# Altium PCB motordriver-v5.1.PcbDoc (part 7 of 8) (continued)
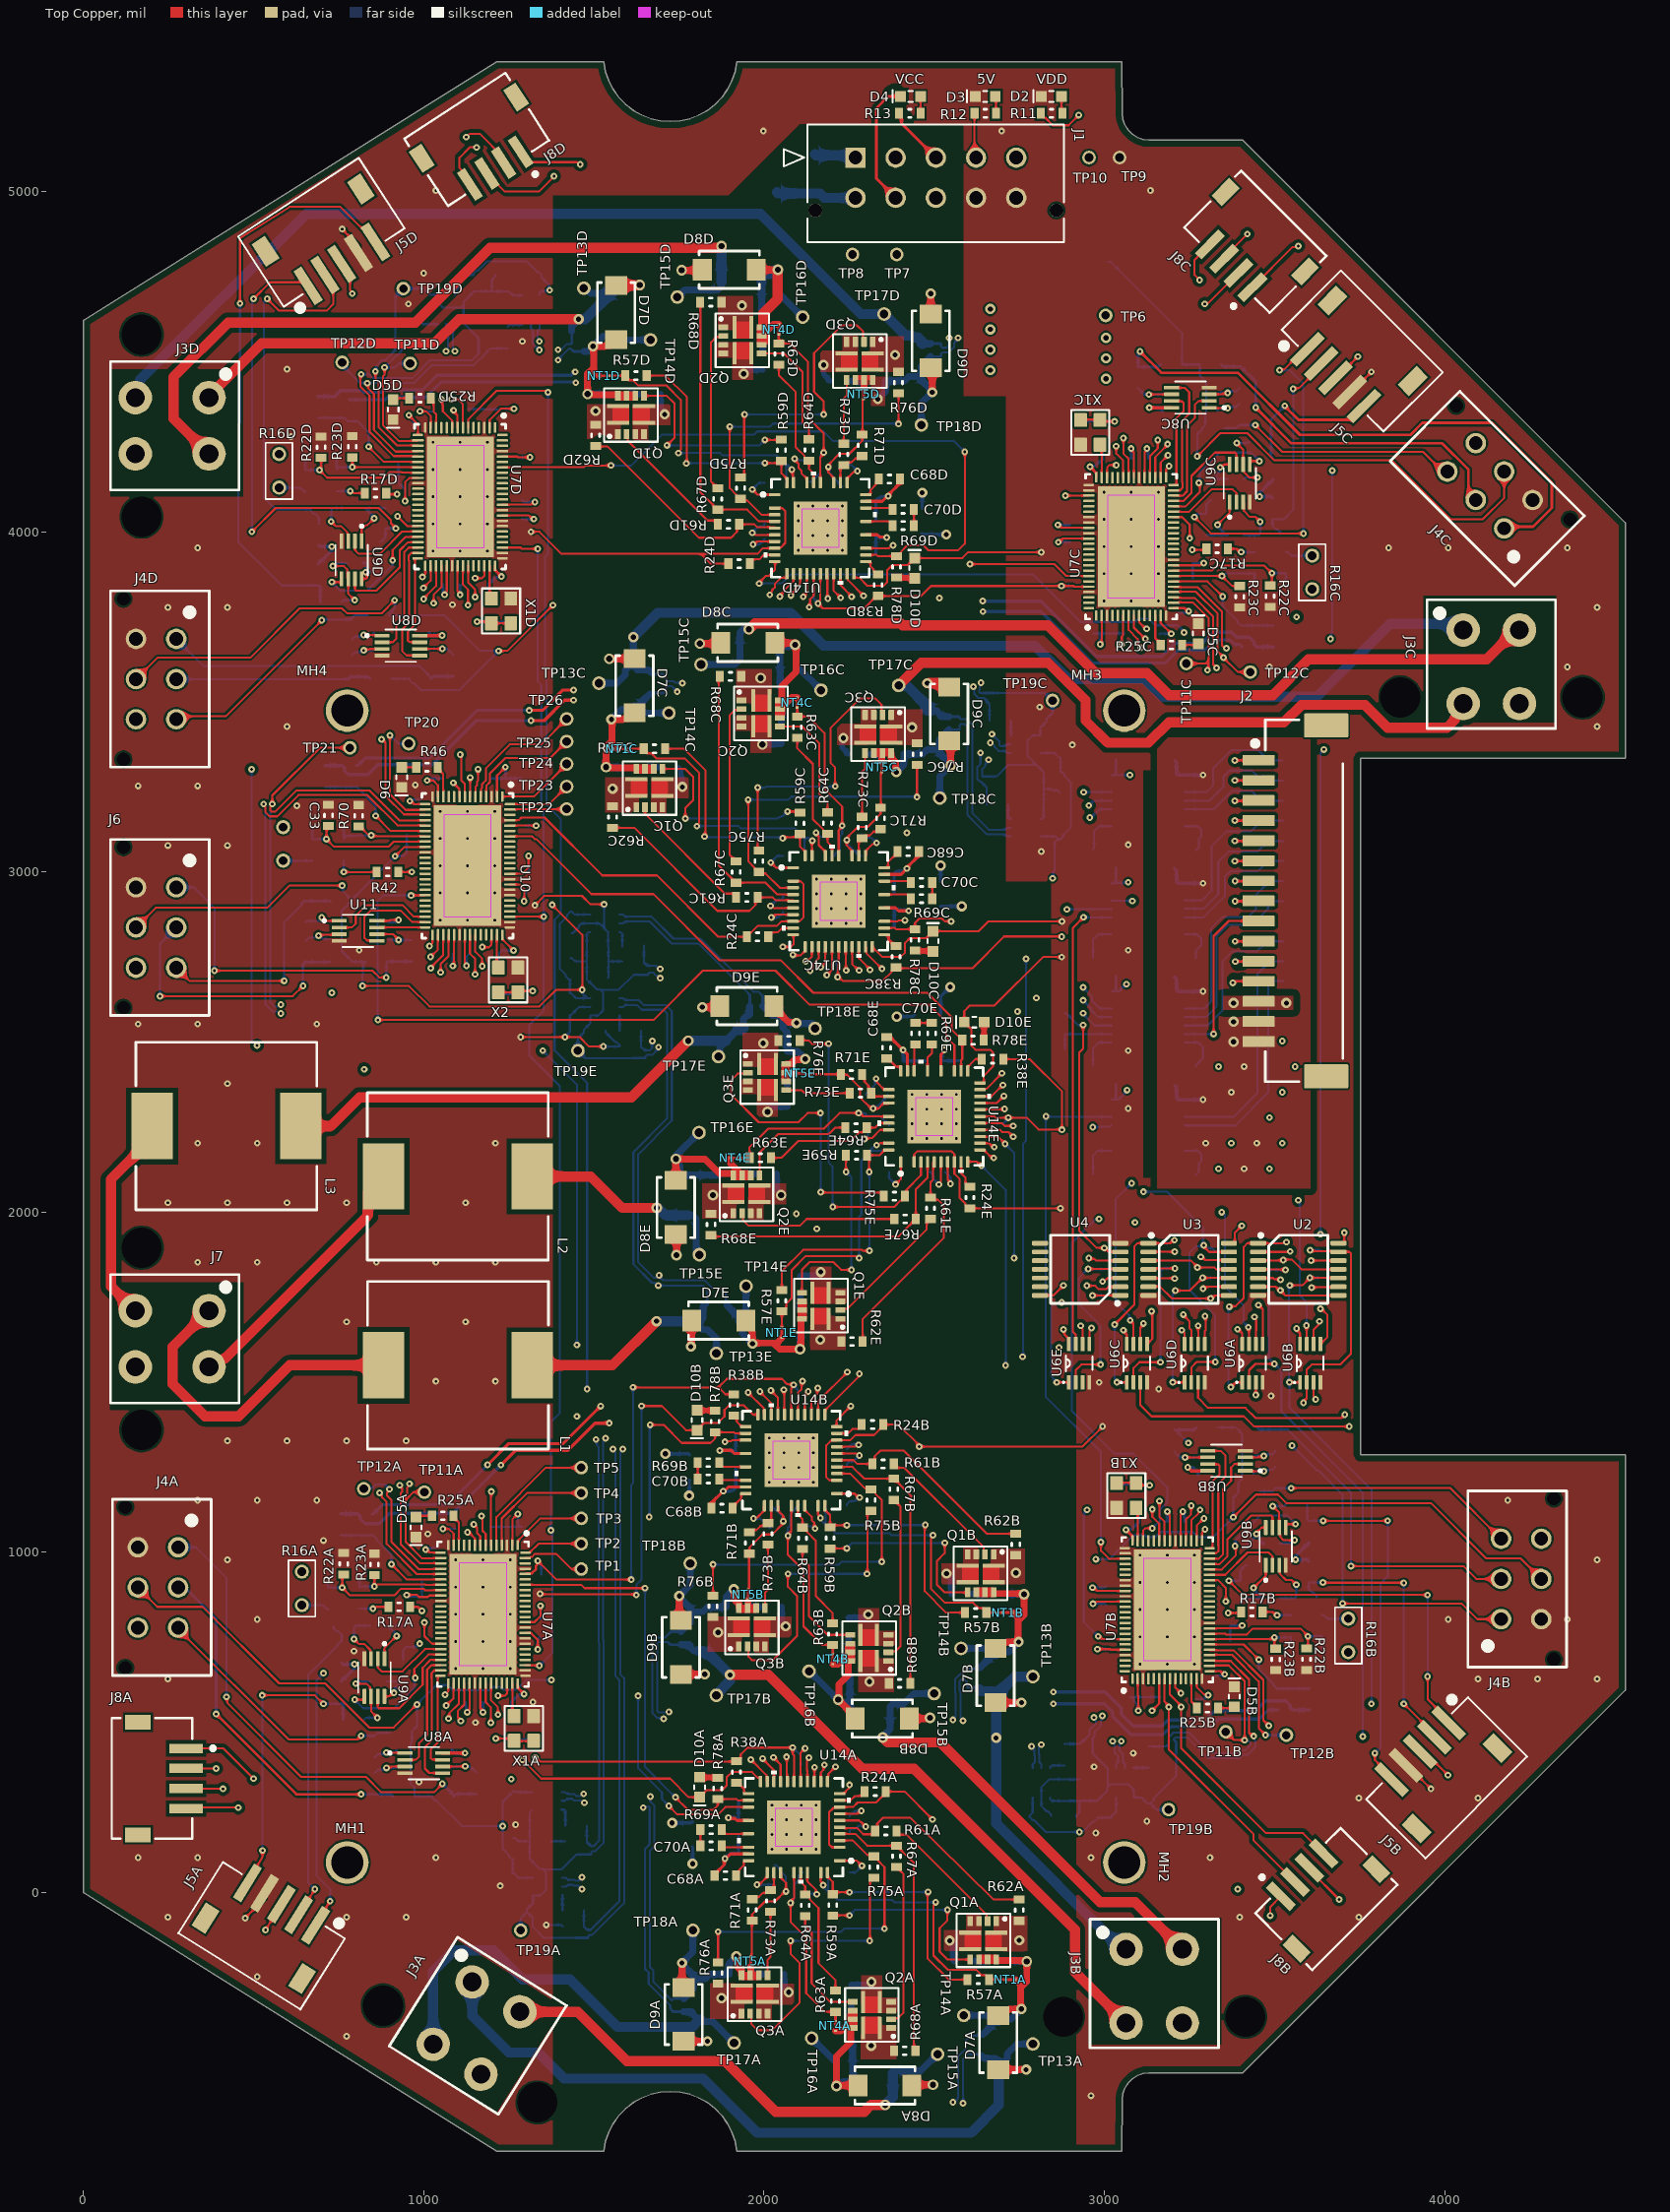
[diagram p0: Top Copper view]
## Nets (pads, with @x,y where several pads share a name; then routed paths per layer and width w, separated by ;. In a path a pad name is that pad's centre, name@x,y a point inside that pad or via, vN(x,y) a via of type N, cw(c..) or ccw(c..) an arc to the next point about the centre after c; other vN are vias at no path point) (continued)
W_SENSEB_N: NT6B.1 U13B.5 | length 1521
  Signal Layer 2 w6: v1(1720.6,531.25) 1723.21,528.63 1723.21,520.53 1736.37,507.37 1736.37,502.86 1743.81,495.43 2222.96,495.43 2299.38,419 2709.04,419 2732.2,442.16 2771.41,442.16 2778.25,449 2801,449 v1(2815,435)
  Bottom Copper w6: v1(1720.6,531.25) 1719.03,529.68 1689.51,529.68 1686,533.2 1686,732.49 1689.51,736 1717.92,736 NT6B.1@1725.12,728.81 ; v1(2815,435) 2815,432.64 2807.08,424.73 2807.08,408.18 2808.83,406.43 2808.83,383.53 2815.13,377.23 U13B.5@2815.13,366.61
W_SENSEB_P: NT7B.1 U13B.4 | length 1526.4
  Signal Layer 2 w6: v1(1705,510.84) 1707.62,508.22 1715.72,508.22 1722.37,501.57 1722.37,497.07 1738.01,481.43 2217.16,481.43 2293.59,405 2714.84,405 2737.99,428.16 2784.17,428.16 v1(2786.17,430.16)
  Bottom Copper w6: v1(1705,510.84) 1702.6,513.24 1686.16,513.24 1672,527.4 1672,738.28 1683.72,750 1709.31,750 NT7B.1@1726.12,766.81 ; v1(2786.17,430.16) 2788.66,430.16 2794.08,424.73 2794.08,402.8 2795.83,401.05 2795.83,383.53 2789.54,377.23 U13B.4@2789.54,366.61
W_SENSEC_N: NT6C.1 U13C.5 | length 444.9
  Bottom Copper w6: NT6C.1@2574.51,3456.39 2574.51,3452.7 2578.02,3449.19 2595.2,3449.19 2611.8,3432.59 2611.8,3173.2 2660.61,3124.39 2709.25,3124.39 2715.04,3130.19 U13C.5@2725.39,3130.19
W_SENSEC_P: NT7C.1 U13C.4 | length 454.9
  Bottom Copper w6: NT7C.1@2573.51,3418.39 2574.51,3419.39 2574.51,3431.67 2578.02,3435.19 2589.4,3435.19 2590.1,3434.49 2597.8,3426.79 2597.8,3167.4 2610.1,3155.1 2654.81,3110.39 2709.25,3110.39 2715.04,3104.6 U13C.4@2725.39,3104.6
W_SENSED_N: NT6D.1 U13D.5 | length 1491.8
  Signal Layer 2 w6: v1(1340,4534.32) 1340.96,4534.32 1358.84,4552.2 1358.84,4560.49 1364.36,4566 1471,4566 1525,4620 1780,4620 1875,4715 2120,4715 2250,4585 2537.64,4585 2541.7,4580.94 2541.7,4572.62 v1(2544.31,4570)
  Bottom Copper w6: U13D.5@1315.06,4608.3 1315.06,4597.95 1320.86,4592.16 1320.86,4552.5 1339.04,4534.32 v1(1340,4534.32) ; NT6D.1@2520.4,4553.07 2520.4,4544.58 2523.92,4541.07 2536.07,4541.07 2543.16,4548.16 2543.16,4568.84 v1(2544.31,4570)
W_SENSED_P: NT7D.1 U13D.4 | length 1507.4
  Signal Layer 2 w6: v1(1340,4560) 1340,4561.44 1358.56,4580 1465.2,4580 1519.2,4634 1774.2,4634 1869.2,4729 2125.8,4729 2255.8,4599 2543.44,4599 2570,4572.44 v1(2570,4570)
  Bottom Copper w6: v1(1340,4560) 1340,4563.7 1334.86,4568.85 1334.86,4592.16 1340.65,4597.95 U13D.4@1340.65,4608.3 ; NT7D.1@2519.4,4515.07 2520.4,4516.07 2520.4,4523.55 2523.92,4527.07 2541.87,4527.07 2558.9,4544.1 2558.9,4555.19 2570,4566.3 v1(2570,4570)
W_SENSEE_N: NT6E.1 U13E.5 | length 478
  Bottom Copper w6: U13E.5@1575.61,2848.87 1585.96,2848.87 1591.76,2854.67 1663.47,2854.67 1728.14,2790 1807.36,2790 1959.43,2637.92 NT6E.1@1957.99,2636.48
W_SENSEE_P: NT7E.1 U13E.4 | length 519.4
  Bottom Copper w6: U13E.4@1575.61,2874.46 1585.96,2874.46 1591.76,2868.67 1669.27,2868.67 1733.94,2804 1813.16,2804 1969.1,2648.06 1983.41,2648.06 NT7E.1@1995.99,2635.48
W_SWA: C69A.2 D9A.2 NT5A.1 NT7A.2 Q3A.8 R74A.2 TP18A.1 | length 599.5
  Top Copper w20: v3(1758.99,-206.93) 1758.99,-274.22 D9A.2@1763.47,-278.7 ; v3(1918.99,-186.93) 1920.9,-188.85 1920.9,-216.2 1933.75,-229.05 Q3A.8@1933.75,-242.68 ; 1946.63,-242.68 Q3A.8@1959.34,-242.68 ; NT5A.1@1960.99,-216.93 1960.99,-241.03 Q3A.8@1959.34,-242.68 ; 1972.99,-240.93 1971.24,-242.68 Q3A.8@1959.34,-242.68
  Bottom Copper w20: NT7A.2@1763.99,-311.93 1790.8,-285.13 1790.8,-263.98 R74A.2@1801.46,-253.31 ; TP18A.1@1790.99,-110.93 1790.99,-174.93 v3(1758.99,-206.93) 1760.9,-208.85 1760.9,-212.75 R74A.2@1801.46,-253.31 ; v3(1918.99,-186.93) 1897.15,-208.77 1897.15,-234.18 1896.99,-234.34 C69A.2@1896.99,-239.93 1841.22,-239.93 1827.84,-253.31 R74A.2@1814.65,-253.31 R74A.2@1801.46,-253.31
W_SWB: C69B.2 D9B.2 NT5B.1 NT7B.2 Q3B.8 R74B.2 TP18B.1 | length 599.5
  Top Copper w20: v3(1751.12,871.81) 1751.12,804.52 D9B.2@1755.6,800.04 ; v3(1911.12,891.81) 1913.03,889.89 1913.03,862.54 1925.87,849.69 Q3B.8@1925.87,836.06 ; 1938.76,836.06 Q3B.8@1951.46,836.06 ; NT5B.1@1953.12,861.81 1953.12,837.71 Q3B.8@1951.46,836.06 ; 1965.12,837.81 1963.37,836.06 Q3B.8@1951.46,836.06
  Bottom Copper w20: NT7B.2@1756.12,766.81 1782.92,793.61 1782.92,814.76 R74B.2@1793.59,825.43 ; TP18B.1@1783.12,967.81 1783.12,903.81 v3(1751.12,871.81) 1753.03,869.89 1753.03,865.99 R74B.2@1793.59,825.43 ; v3(1911.12,891.81) 1889.28,869.97 1889.28,844.56 1889.12,844.4 C69B.2@1889.12,838.81 1833.34,838.81 1819.97,825.43 R74B.2@1806.78,825.43 R74B.2@1793.59,825.43
W_SWC: C69C.2 D9C.2 NT5C.1 NT7C.2 Q3C.8 R74C.2 TP18C.1 | length 599.5
  Top Copper w20: 2334.51,3347.39 2336.25,3349.13 Q3C.8@2348.16,3349.13 ; NT5C.1@2346.5,3323.39 2346.51,3347.48 Q3C.8@2348.16,3349.13 ; 2360.86,3349.13 Q3C.8@2348.16,3349.13 ; Q3C.8@2373.75,3349.13 2373.75,3335.5 2386.6,3322.65 2386.6,3295.3 v3(2388.51,3293.39) ; D9C.2@2544.03,3385.15 2548.51,3380.67 v4(2548.51,3313.39)
  Bottom Copper w20: v3(2388.51,3293.39) 2410.35,3315.23 2410.35,3340.64 2410.51,3340.8 C69C.2@2410.51,3346.39 2466.28,3346.39 2479.66,3359.76 R74C.2@2492.85,3359.76 R74C.2@2506.03,3359.76 ; TP18C.1@2516.51,3217.39 2516.51,3281.39 v4(2548.51,3313.39) 2546.6,3315.3 2546.6,3319.2 R74C.2@2506.03,3359.76 ; NT7C.2@2543.51,3418.39 2516.7,3391.58 2516.7,3370.43 R74C.2@2506.03,3359.76
W_SWD: C69D.2 D9D.2 NT5D.1 NT7D.2 Q3D.8 R74D.2 TP18D.1 | length 511.6
  Top Copper w20: NT5D.1@2292.4,4420.07 2294.05,4420.07 Q3D.8@2294.05,4445.81 ; D9D.2@2489.92,4481.84 2494.4,4477.35 v3(2494.4,4410.07)
  Bottom Copper w20: v3(2334.4,4390.07) 2356.24,4411.91 2356.24,4437.32 2356.4,4437.48 C69D.2@2356.4,4443.07 2412.17,4443.07 2425.55,4456.44 R74D.2@2438.74,4456.44 R74D.2@2451.93,4456.44 ; TP18D.1@2462.4,4314.07 2462.4,4378.07 v3(2494.4,4410.07) 2492.49,4411.98 2492.49,4415.88 R74D.2@2451.93,4456.44 ; NT7D.2@2489.4,4515.07 2462.6,4488.26 2462.6,4467.11 R74D.2@2451.93,4456.44
W_SWE: C69E.2 D9E.2 NT5E.1 NT7E.2 Q3E.8 R74E.2 TP18E.1 | length 535.6
  Top Copper w20: D9E.2@2029.22,2606 2029.22,2601.27 2072.31,2558.18 2093.42,2558.18 v3(2095.33,2556.27) ; 2065.24,2422.83 Q3E.8@2065.24,2410.13 ; Q3E.8@2065.24,2435.72 2078.88,2435.72 2091.72,2448.57 2119.08,2448.57 v3(2120.99,2450.48) ; 2066.99,2396.48 2065.24,2398.22 Q3E.8@2065.24,2410.13 ; NT5E.1@2090.99,2408.48 2066.9,2408.48 Q3E.8@2065.24,2410.13
  Bottom Copper w20: NT7E.2@1995.99,2605.48 2022.8,2578.67 2043.95,2578.67 2054.61,2568.01 R74E.2@2054.61,2566.93 ; v3@2095,2555 2095.05,2555.05 2141.56,2555.05 TP18E.1@2142.78,2553.83 ; v3(2095.33,2556.27) 2065.28,2556.27 R74E.2@2054.61,2566.93 ; v3(2120.99,2450.48) 2099.15,2472.32 2073.74,2472.32 2073.58,2472.48 C69E.2@2067.99,2472.48 2067.99,2528.25 2054.61,2541.63 R74E.2@2054.61,2554.82 R74E.2@2054.61,2566.93
WA: J3A.3 NT6A.2 R74A.1 TP17A.1 | length 1320.9
  Bottom Copper w20: NT6A.2@1762.99,-349.93 1787.99,-349.93 1790.8,-352.74 1790.8,-357.6 1801.46,-368.27 R74A.1@1814.65,-368.27 ; R74A.1@1803.99,-378.93 R74A.1@1814.65,-368.27 ; TP17A.1@1911.99,-441.93 1849,-378.94 1825.32,-378.94 R74A.1@1814.65,-368.27
  Bottom Copper w30: J3A.3@1027.59,-446.01 1027.59,-323.57 1027.43,-323.41 1027.43,-232.57 1090,-170 1205,-170 1290,-255 1430,-255 1570,-395 1787.92,-395 R74A.1@1803.99,-378.93
WB: J3B.3 NT6B.2 R74B.1 TP17B.1 | length 1926.8
  Top Copper w20: TP17B.1@1860,580 TP17B.1@1863.83,583.83
  Top Copper w30: v3(1900,640) 2013,640 2289,364 2440.44,364 2914,-109.56 2914,-233.31 J3B.3@3063.99,-383.3
  Bottom Copper w20: NT6B.2@1755.12,728.81 1780.12,728.81 1782.92,726 1782.92,721.14 1793.59,710.47 R74B.1@1806.78,710.47
  Bottom Copper w30: R74B.1@1806.78,710.47 1819.97,710.47 1830.64,699.8 1840.2,699.8 v3(1900,640) 1900,622.71 1860,582.71 TP17B.1@1860,580
WC: J3C.3 NT6C.2 R74C.1 TP17C.1 | length 2136.8
  Top Copper w30: TP17C.1@2395.51,3548.39 2462.12,3615 2835,3615 2945,3505 2945,3445 3010,3380 3130,3380 3190,3440 3527.52,3440 3578.76,3491.24 3765.53,3491.24 3832.72,3424.06 4007.13,3424.06 4029.74,3446.67 4029.74,3451.58 4049.54,3471.38 J3C.3@4049.54,3499.98
  Bottom Copper w20: R74C.1@2492.85,3474.72 2506.03,3474.72 2516.7,3464.05 2516.7,3459.19 2519.51,3456.39 NT6C.2@2544.51,3456.39
  Bottom Copper w30: TP17C.1@2395.51,3548.39 2397.42,3546.47 2421.09,3546.47 2473.99,3493.58 2473.99,3480.39 2479.66,3474.72 R74C.1@2492.85,3474.72
WD: J3D.3 NT6D.2 R74D.1 TP17D.1 | length 2742.5
  Bottom Copper w20: R74D.1@2451.93,4571.4 R74D.1@2462.6,4560.73 ; R74D.1@2465.4,4553.07 NT6D.2@2490.4,4553.07
  Bottom Copper w30: J3D.3@152.45,4394.42 165.55,4407.51 165.55,4445.55 655,4935 1990,4935 2284.93,4640.07 TP17D.1@2352.99,4640.07 ; TP17D.1@2354.9,4638.15 2415.98,4577.07 2433.07,4577.07 R74D.1@2438.74,4571.4 R74D.1@2451.93,4571.4 ; R74D.1@2462.6,4560.73 2462.6,4555.87 R74D.1@2465.4,4553.07
WE: L3.2 NT6E.2 R74E.1 TP17E.1 | length 1578.6
  Top Copper w30: L3.2@638.49,2253.07 727.07,2253.07 811,2337 1610,2337 v4(1777,2504)
  Bottom Copper w20: TP17E.1@1865.99,2457.48 1869.51,2461 1869.51,2484.67 1888.84,2504 1920.8,2535.96 R74E.1@1939.65,2554.82 ; R74E.1@1939.65,2541.63 R74E.1@1939.65,2554.82 ; NT6E.2@1957.99,2606.48 1957.99,2581.48 1955.18,2578.67 1950.32,2578.67 1939.65,2568.01 R74E.1@1939.65,2554.82
  Bottom Copper w30: v4(1777,2504) 1888.84,2504 ; R74E.1@1920.8,2535.96 1933.98,2535.96 R74E.1@1939.65,2541.63
WHA: U7A.46 U14A.19 | length 1102
  Top Copper w6: U7A.46@1181.94,615.44 1181.94,560.12 1196.99,545.07 v1(1196.99,499.07) ; v1(1995.99,394.07) 1995.99,393.07 2029,360.06 U14A.19@2029,326.26
  Signal Layer 1 w6: v1(1196.99,499.07) 1223.15,472.91 1406.03,472.91 1445.94,433 1785.03,433 1871.03,347 1977,347 1995.99,365.99 v1(1995.99,394.07)
WHB: U7B.46 U14B.19 | length 1561.4
  Top Copper w6: v1(1988.12,1472.81) 1988.12,1471.81 2021.13,1438.8 U14B.19@2021.13,1405 ; v1(3161.99,1150.88) 3161.99,1104.88 3177.04,1089.84 U7B.46@3177.04,1034.51
  Signal Layer 1 w6: v1(1988.12,1472.81) 2070.92,1390 2165.2,1390 2206.06,1349.13 2645.87,1349.13 2715.03,1279.97 3100.03,1279.97 3175,1205 3175,1163.89 v1(3161.99,1150.88)
WHC: U7C.46 U14C.19 | length 2388.7
  Top Copper w6: U14C.19@2278.5,2780.19 2278.5,2746.4 2311.51,2713.39 v1(2311.51,2712.39) ; v1(3055.99,4275.78) 3055.99,4229.78 3071.04,4214.73 U7C.46@3071.04,4159.41
  Signal Layer 1 w6: v1(2311.51,2712.39) 2311.51,2731.51 2332.96,2752.96 2587.7,2752.96 2774.31,2939.57 2774.31,4236.33 2840.01,4302.04 3019.08,4302.04 3019.19,4301.93 3029.83,4301.93 v1(3055.99,4275.78)
WHD: U7D.46 U14D.19 | length 1433.9
  Top Copper w6: U7D.46@1114.94,3900.44 1114.94,3845.12 1129.99,3830.07 v1(1129.99,3784.07) ; U14D.19@2224.39,3876.88 2224.39,3843.08 2257.4,3810.07 v1(2257.4,3809.07)
  Signal Layer 1 w6: v1(1129.99,3784.07) 1235.62,3784.07 1334.51,3882.96 1824.51,3882.96 1861.78,3920.23 2050.66,3920.23 2082.89,3888 2178.47,3888 v1(2257.4,3809.07)
WHE: U10.46 U14E.19 | length 2093.8
  Top Copper w6: U10.46@1135.75,2815.6 1135.75,2760.27 1150.8,2745.23 v1(1150.8,2699.23) ; U14E.19@2634.18,2340.47 2667.98,2340.47 2700.99,2373.48 v1(2701.99,2373.48)
  Signal Layer 1 w6: v1(1150.8,2699.23) 1150.8,2622.23 1185.03,2588 1457.29,2588 1507.29,2638 1729.06,2638 1790.06,2699 1949.03,2699 1995.03,2653 2432,2653 2486,2599 2569.03,2599 2663.19,2504.84 2663.19,2391.22 2680.93,2373.48 v1(2701.99,2373.48)
WLA: U7A.47 U14A.20 | length 1023.4
  Top Copper w6: U7A.47@1197.69,615.44 1197.69,587.56 1197.63,587.49 1197.63,565.43 1217.99,545.07 v1(1217.99,523.07) ; v1(1960.99,391.07) 2006.89,345.16 2006.89,328.68 U14A.20@2009.31,326.26
  Signal Layer 1 w6: v1(1217.99,523.07) 1376.93,523.07 1455,445 1790,445 1876,359 1952,359 1960.99,367.99 v1(1960.99,391.07)
WLB: U7B.47 U14B.20 | length 1587.1
  Top Copper w6: v1(1953.12,1469.81) 1999.02,1423.9 1999.02,1407.42 U14B.20@2001.44,1405 ; v1(3140.99,1126.88) 3140.99,1104.88 3161.35,1084.52 3161.35,1062.46 3161.29,1062.39 U7B.47@3161.29,1034.51
  Signal Layer 1 w6: v1(1953.12,1469.81) 2047.92,1375 2163.23,1375 2201.09,1337.13 2640.89,1337.13 2710.06,1267.97 3095.06,1267.97 3160,1203.03 3160,1184.82 3140.99,1165.81 v1(3140.99,1126.88)
WLC: U7C.47 U14C.20 | length 2311.3
  Top Copper w6: U14C.20@2298.18,2780.19 2300.61,2777.77 2300.61,2761.29 v1(2346.51,2715.39) ; v1(3034.99,4251.78) 3034.99,4229.78 3055.35,4209.41 3055.35,4187.35 3055.29,4187.29 U7C.47@3055.29,4159.41
  Signal Layer 1 w6: v1(2346.51,2715.39) 2346.51,2731.51 2355.92,2740.92 2592.68,2740.92 2786.35,2934.59 2786.35,4231.35 2845,4290 2996.77,4290 v1(3034.99,4251.78)
WLD: U7D.47 U14D.20 | length 1428.3
  Top Copper w6: U7D.47@1130.69,3900.44 1130.69,3872.56 1130.63,3872.49 1130.63,3850.43 1150.99,3830.07 v1(1150.99,3808.07) ; U14D.20@2244.08,3876.88 2246.5,3874.46 2246.5,3857.97 v1(2292.4,3812.07)
  Signal Layer 1 w6: v1(1150.99,3808.07) 1242.59,3808.07 1329.52,3895 1819.52,3895 1856.75,3932.23 2055.63,3932.23 2087.86,3900 2204.47,3900 v1(2292.4,3812.07)
WLE: U10.47 U14E.20 | length 2042.1
  Top Copper w6: U10.47@1151.5,2815.6 1151.5,2787.72 1151.44,2787.65 1151.44,2765.59 1171.8,2745.23 v1(1171.8,2723.23) ; U14E.20@2634.18,2360.15 2636.6,2362.58 2653.09,2362.58 v1(2698.99,2408.48)
  Signal Layer 1 w6: v1(1171.8,2723.23) 1171.8,2618.2 1190,2600 1452.32,2600 1502.32,2650 1724.09,2650 1785.09,2711 1954,2711 2000,2665 2440,2665 2494,2611 2574,2611 2675.19,2509.81 2675.19,2432.28 v1(2698.99,2408.48)
~DBGSPI_CSB: U7B.75
~DBGSPI_CSC: U7C.75
~DBGSPI_CSD: U7D.75
~ENC_CS0: J8A.1 U6A.3 | length 4965.8
  Top Copper w6: J8A.1@301.73,423.94 411.06,423.94 v1(500,335) ; v1(3445.24,1462.84) U6A.3@3445.24,1500.07
  Signal Layer 1 w6: v1(3392.3,10) 3575,192.7 3575,495 3550,520 3550,835 3525,860 3525,1379.48 3445.24,1459.24 v1(3445.24,1462.84)
  Signal Layer 2 w6: v1@498.54,335 v1(500,335) 655,335 850,140 1535,140 1735,-60 2165,-60 2195,-30 2275,-30 2345,40 2510,40 2540,10 v1(3392.3,10)
~ENC_CS1: J8B.1 U6B.3 | length 1744.3
  Top Copper w6: v1(3487.51,-67.49) 3487.51,-42.05 J8B.1@3519.07,-10.49 ; U6B.3@3614.99,1500.07 3614.99,1459.61 3621.05,1453.55 v1(3621.05,1449.84)
  Signal Layer 1 w6: v1(3487.51,-67.49) 3605,50 3605,570 3660,625 3660,872.5 3680,892.5 3680,1140 3621.05,1198.95 v1(3621.05,1449.84)
~ENC_CS2: J8C.1 U6C.3 | length 4515.3
  Top Copper w6: U6C.3@3105.74,1500.07 3105.74,1432.96 3138.7,1400 3410,1400 3440,1370 v1(3720,1370) ; J8C.1@3435.49,4719.07 3553.81,4837.38 3567.38,4837.38 v1(3570,4840)
  Signal Layer 1 w6: v1(3570,4840) 3544.34,4814.34 3544.34,4632.58 3804.34,4372.58 3804.34,3664.34 3729.34,3589.34 3729.34,1395.54 3722.62,1388.82 3722.62,1372.62 v1(3720,1370)
~ENC_CS3: J8D.1 U6D.3 | length 6606.8
  Top Copper w6: J8D.1@1284.53,5117.16 1315.3,5086.4 1449.9,5086.4 1456.3,5080 v1(1460,5080) ; U6D.3@3275.49,1500.07 3275.49,1454.51 3305,1425 3415,1425 3445,1395 3696.14,1395 3706.14,1405 v1(3706.49,1405)
  Signal Layer 1 w6: v1(1460,5080) 1795,5080 1970,5255 2855,5255 2856.76,5253.24 3000,5110 3000,5085 3020,5065 3285,5065 3525,4825 3525,4630 3785,4370 3785,3672.35 3710,3597.35 3710,2075 3705,2070 3705,1975 3682.16,1952.16 3682.16,1909.34 3706.49,1885 v1(3706.49,1405)
~RST: J2.12 R77L.2 | length 121.2
  Top Copper w6: v1(3377.39,2674.28) 3381.09,2674.28 3385.64,2678.84 J2.12@3453.18,2678.84
  Bottom Copper w6: v1(3377.39,2674.28) 3381.09,2674.28 3386.8,2680 R77L.2@3418.5,2680
~RST_FILTER: C52L.2 R77L.1 U5D.4 | length 659.2
  Bottom Copper w6: U5D.4@3236.06,2255.74 3236.8,2255 3385,2255 3481.5,2351.5 R77L.1@3481.5,2680 C52L.2@3526.5,2680
~RST_ISO: U5D.13 U7A.50 U7B.50 U7C.50 U7D.50 U10.50 | length 11834.8
  Top Copper w6: v1(1150.97,3864.07) 1151.4,3863.63 1171.06,3863.63 1177.93,3870.51 U7D.50@1177.93,3900.44 ; v1(1171.78,2779.23) 1172.21,2778.79 1191.87,2778.79 1198.75,2785.66 U10.50@1198.75,2815.6 ; v1(1217.97,579.07) 1218.4,578.63 1238.06,578.63 1244.93,585.51 U7A.50@1244.93,615.44 ; U7C.50@3008.05,4159.41 3008.05,4189.34 3014.92,4196.21 3034.58,4196.21 v1(3035.01,4195.78) ; U7B.50@3114.05,1034.51 3114.05,1064.45 3120.92,1071.32 3140.58,1071.32 v1(3141.01,1070.88)
  Signal Layer 1 w6: v1@1261.05,333.48 1726.52,333.48 1990,70 2220,70 2425,275 3080.91,275 3330,524.09 3330,960 3219.12,1070.88 v1(3141.01,1070.88) ; v1(2984.48,1980.17) 2966.11,1998.54 v1(2966.11,2250.16) 2966.11,2330.72 2715,2581.83 2715,2620 2800,2705 2931.14,2705 2961.68,2735.54 2961.68,2936.11 2934.66,2963.13 2934.66,3163.7 2910,3188.35 2910,3335 2930,3355 2930,3670 2900,3700 2900,4060.77 v1(3035.01,4195.78)
  Signal Layer 2 w6: v1(1150.97,3864.07) 1165.29,3849.74 ; v1(1171.78,2779.23) 1190.64,2760.36 1190.64,2712.42 1123.22,2645 v1(730,2645) 730,2810 460,3080 460,3345 675,3560 1055,3560 1190,3695 1190,3825.04 1165.29,3849.74 ; v1(1217.97,579.07) 1257.35,539.69 v1(1257.35,333.48) ; v1(3035.01,4195.78) 3020.76,4210.03 2805.03,4210.03 2469.93,3874.93 1978.43,3874.93 1953.24,3849.74 1165.29,3849.74
  Bottom Copper w6: v1(2966.11,2250.16) 2966.27,2250 2983.84,2250 2984.81,2250.96 3016.72,2250.96 U5D.13@3021.5,2255.74 ; v1(2984.48,1980.17) 2981.86,1977.56 2972.56,1977.56 2938.78,1943.78 2905,1910 2905,1415 3030,1290 3085,1290 3185,1190 3185,1147.25 3163.7,1125.95 3163.7,1093.57 v1(3141.01,1070.88)
pads on no net: J1.M1 J1.M2 J2.0 J3A.4 J3A.MH1 J3B.4 J3B.MH1 J3C.4 J3C.MH1 J3D.4 J3D.MH1 J4A.6 J4A.MH1 J4A.MH2 J4B.6 J4B.MH1 J4B.MH2 J4C.6 J4C.MH1 J4C.MH2 J4D.6 J4D.MH1 J4D.MH2 J5A.6 J5A.7 J5B.6 J5B.7 J5C.6 J5C.7 J5D.6 J5D.7 J6.6 J6.MH1 J6.MH2 J7.4 J7.MH1 J8A.S1 J8A.S2 J8B.S1 J8B.S2 J8C.S1 J8C.S2 J8D.S1 J8D.S2 MH1.1 MH2.1 MH3.1 MH4.1 U4.8 U4.9 U4.10 U4.11 U4.12 U4.13 U7A.10 U7A.11 U7A.25 U7A.26 U7A.27 U7A.28 U7A.29 U7A.30 U7A.31 U7A.48 U7A.49 U7A.56 U7A.57 U7A.58 U7A.64 U7A.65 U7A.66 U7A.67 U7A.68 U7A.69 U7A.71 U7A.74 U7B.10 U7B.11 U7B.25 U7B.26 U7B.27 U7B.28 U7B.29 U7B.30 U7B.31 U7B.48 U7B.49 U7B.56 U7B.57 U7B.58 U7B.64 U7B.65 U7B.66 U7B.67 U7B.68 U7B.69 U7B.71 U7B.74 U7C.10 U7C.11 U7C.25 U7C.26 U7C.27 U7C.28 U7C.29 U7C.30 U7C.31 U7C.48 U7C.49 U7C.56 U7C.57 U7C.58 U7C.64 U7C.65 U7C.66 U7C.67 U7C.68 U7C.69 U7C.71 U7C.74 U7D.10 U7D.11 U7D.25 U7D.26 U7D.27 U7D.28 U7D.29 U7D.30 U7D.31 U7D.48 U7D.49 U7D.56 U7D.57 U7D.58 U7D.64 U7D.65 U7D.66 U7D.67 U7D.68 U7D.69 U7D.71 U7D.74 U10.10 U10.11 U10.25 U10.26 U10.27 U10.28 U10.29 U10.30 U10.31 U10.33 U10.34 U10.35 U10.48 U10.49 U10.56 U10.57 U10.58 U10.64 U10.65 U10.66 U10.67 U10.68 U10.69 U10.71 U10.74

## Polygon pours and split planes (outlines as drawn)
GND on Bottom Copper "GND_L06_P343" (solid, pour order 343): -104.01,-939.64 1378.71,-939.64 1378.71,4990 1895,4990 2105,5200 2586.99,5200 2586.99,4398.63 2711.99,4398.63 2711.99,2973.07 2843.99,2973.07 2843.99,1495 2918.75,1495 2918.75,-760.15 4537.99,-762.48 4537.99,5737.52 -93.73,5737.52
JETSON_GND on Bottom Copper "JETSON_GND_L06_P329" (solid, pour order 329): 3605,3395 3155,3395 3155,2070 3605,2070
VDD on Bottom Copper "VDD_L06_P300" (solid, pour order 300): 2629.99,4718.08 2629.99,4400.07 3038.99,4400.07 3038.99,4670.07 2695.99,4670.07 2695.99,4718.08
VDD on Bottom Copper "VDD_L06_P302" (solid, pour order 302): 3055.03,1985 3124.98,1985 3124.98,1739.28 3055.03,1739.28
5V on Bottom Copper "5V_L06_P335" (solid, pour order 335): 2582.99,5139.07 2582.99,5049.07 2885.99,5049.07 2885.99,4745.07 2948.99,4745.07 2948.99,4771.07 3048.99,4771.07 3048.99,4916.07 2936.99,4916.07 2936.99,5065.07 2979.99,5065.07 2979.99,5139.07
PGND on Bottom Copper "PGND_L06_P347" (solid, pour order 347): 2280.52,3891.88 2280.52,4091.88 2255.52,4091.88 2050.52,4091.88 2050.52,3891.88
PGND on Bottom Copper "PGND_L06_P346" (solid, pour order 346): 2334.62,2795.19 2334.62,3010 2104.62,3010 2104.62,2795.19
PGND on Bottom Copper "PGND_L06_P345" (solid, pour order 345): 2619.18,2396.6 2419.18,2396.6 2419.18,2371.6 2419.18,2166.6 2619.18,2166.6
PGND on Bottom Copper "PGND_L06_P344" (solid, pour order 344): 1972.87,311.26 1972.87,111.26 1997.87,111.26 2205,111.26 2205,311.26
PGND on Bottom Copper "PGND_L06_P337" (solid, pour order 337): 1965,1390 1965,1190 1990,1190 2195,1190 2195,1390
VDD on Bottom Copper "VDD_L06_P328" (solid, pour order 328): 3685.84,1955 3720,1955 3720,1781 3685.84,1781
VDD on Bottom Copper "VDD_L06_P303" (solid, pour order 303): 3374.06,1974.04 3443.56,1974.04 3443.56,1787.04 3374.06,1787.04
GND on Top Copper "GND_L01_P342" (solid, pour order 342): -104.01,-939.64 1378.71,-939.64 1378.71,4990 1895,4990 2105,5200 2586.99,5200 2586.99,4398.63 2711.99,4398.63 2711.99,2973.07 2843.99,2973.07 2843.99,1495 2918.75,1495 2918.75,-762.48 4537.99,-762.48 4537.99,5737.52 -93.73,5737.52
JETSON_3V3 on Top Copper "JETSON_3V3_L01_P341" (solid, pour order 341): 3605,3395 3155,3395 3155,2070 3605,2070
VCC on Top Copper "VCC_L01_P356" (solid, pour order 356): 1669.24,3278.2 1778.81,3278.2 1778.81,3217.2 1753.49,3217.2 1713.49,3217.2 1713.49,3172.2 1668.49,3172.2
W_SWD on Top Copper "W_SWD_L01_P378" (solid, pour order 378): 2265,4459.31 2355,4459.31 2355,4370 2315,4370 2315,4432.94 2265,4432.94
PGND on Top Copper "PGND_L01_P377" (solid, pour order 377): 1966.45,-327.41 1941.6,-327.41 1941.6,-370.58 1842.5,-370.58 1842.5,-267.14 1966.45,-267.14
VCC on Top Copper "VCC_L01_P376" (solid, pour order 376): 1978.26,-267.55 2088.19,-267.55 2088.19,-328.55 2062.5,-328.55 2022.5,-328.55 2022.5,-373.55 1977.5,-373.55
PGND on Top Copper "PGND_L01_P375" (solid, pour order 375): 2345.45,-365.29 2345.45,-390.14 2388.62,-390.14 2388.62,-489.24 2285.18,-489.24 2285.18,-365.29
VCC on Top Copper "VCC_L01_P374" (solid, pour order 374): 2285.59,-353.48 2285.59,-243.55 2346.59,-243.55 2346.59,-269.24 2346.59,-309.24 2391.59,-309.24 2391.59,-354.24
PGND on Top Copper "PGND_L01_P373" (solid, pour order 373): 2650.06,-111.88 2674.91,-111.88 2674.91,-68.71 2774.01,-68.71 2774.01,-172.15 2650.06,-172.15
VCC on Top Copper "VCC_L01_P372" (solid, pour order 372): 2638.26,-171.74 2528.32,-171.74 2528.32,-110.75 2554.01,-110.75 2594.01,-110.75 2594.01,-65.75 2639.01,-65.75
PGND on Top Copper "PGND_L01_P371" (solid, pour order 371): 2642.19,966.86 2667.03,966.86 2667.03,1010.03 2766.14,1010.03 2766.14,906.59 2642.19,906.59
VCC on Top Copper "VCC_L01_P370" (solid, pour order 370): 2630.38,907 2520.44,907 2520.44,967.99 2546.14,967.99 2586.14,967.99 2586.14,1012.99 2631.14,1012.99
PGND on Top Copper "PGND_L01_P369" (solid, pour order 369): 2337.58,713.45 2337.58,688.6 2380.75,688.6 2380.75,589.5 2277.31,589.5 2277.31,713.45
VCC on Top Copper "VCC_L01_P368" (solid, pour order 368): 2277.71,725.26 2277.71,835.19 2338.71,835.19 2338.71,809.5 2338.71,769.5 2383.71,769.5 2383.71,724.5
PGND on Top Copper "PGND_L01_P367" (solid, pour order 367): 1958.57,751.33 1933.73,751.33 1933.73,708.16 1834.62,708.16 1834.62,811.6 1958.57,811.6
VCC on Top Copper "VCC_L01_P366" (solid, pour order 366): 1970.38,811.19 2080.32,811.19 2080.32,750.19 2054.62,750.19 2014.62,750.19 2014.62,705.19 1969.62,705.19
PGND on Top Copper "PGND_L01_P365" (solid, pour order 365): 2196.05,1719.4 2196.05,1694.56 2239.21,1694.56 2239.21,1595.46 2135.77,1595.46 2135.77,1719.4
VCC on Top Copper "VCC_L01_P364" (solid, pour order 364): 2136.18,1731.21 2136.18,1841.15 2197.18,1841.15 2197.18,1815.46 2197.18,1775.46 2242.18,1775.46 2242.18,1730.46
PGND on Top Copper "PGND_L01_P363" (solid, pour order 363): 1942.63,2024.01 1917.79,2024.01 1917.79,1980.85 1818.68,1980.85 1818.68,2084.29 1942.63,2084.29
VCC on Top Copper "VCC_L01_P362" (solid, pour order 362): 1954.44,2083.88 2064.38,2083.88 2064.38,2022.88 2038.68,2022.88 1998.68,2022.88 1998.68,1977.88 1953.68,1977.88
PGND on Top Copper "PGND_L01_P361" (solid, pour order 361): 1980.51,2403.02 1980.51,2427.86 1937.34,2427.86 1937.34,2526.97 2040.78,2526.97 2040.78,2403.02
VCC on Top Copper "VCC_L01_P360" (solid, pour order 360): 2040.37,2391.21 2040.37,2281.28 1979.38,2281.28 1979.38,2306.97 1979.38,2346.97 1934.38,2346.97 1934.38,2391.97
PGND on Top Copper "PGND_L01_P359" (solid, pour order 359): 1962.04,3471.75 1962.04,3496.59 1918.87,3496.59 1918.87,3595.7 2022.32,3595.7 2022.32,3471.75
VCC on Top Copper "VCC_L01_P358" (solid, pour order 358): 2021.91,3459.94 2021.91,3350 1960.91,3350 1960.91,3375.7 1960.91,3415.7 1915.91,3415.7 1915.91,3460.7
PGND on Top Copper "PGND_L01_P357" (solid, pour order 357): 1657.43,3218.33 1632.59,3218.33 1632.59,3175.16 1533.49,3175.16 1533.49,3278.6 1657.43,3278.6
PGND on Top Copper "PGND_L01_P355" (solid, pour order 355): 2286.94,4530.55 2311.79,4530.55 2311.79,4573.72 2410.89,4573.72 2410.89,4470.28 2286.94,4470.28
VCC on Top Copper "VCC_L01_P354" (solid, pour order 354): 2275.14,4470.68 2165.57,4470.68 2165.57,4531.68 2190.89,4531.68 2230.89,4531.68 2230.89,4576.68 2275.89,4576.68
PGND on Top Copper "PGND_L01_P353" (solid, pour order 353): 1907.94,4568.43 1907.94,4593.27 1864.77,4593.27 1864.77,4692.38 1968.21,4692.38 1968.21,4568.43
VCC on Top Copper "VCC_L01_P352" (solid, pour order 352): 1967.8,4556.62 1967.8,4447.06 1906.81,4447.06 1906.81,4472.38 1906.81,4512.38 1861.81,4512.38 1861.81,4557.38
PGND on Top Copper "PGND_L01_P351" (solid, pour order 351): 1603.33,4315.01 1578.48,4315.01 1578.48,4271.84 1479.38,4271.84 1479.38,4375.29 1603.33,4375.29
VCC on Top Copper "VCC_L01_P350" (solid, pour order 350): 1615.14,4374.88 1724.7,4374.88 1724.7,4313.88 1699.38,4313.88 1659.38,4313.88 1659.38,4268.88 1614.38,4268.88
PGND on Top Copper "PGND_L01_P349" (solid, pour order 349): 2341.05,3433.87 2365.89,3433.87 2365.89,3477.04 2465,3477.04 2465,3373.6 2341.05,3373.6
VCC on Top Copper "VCC_L01_P348" (solid, pour order 348): 2329.24,3374 2215,3374 2215,3435 2245,3435 2285,3435 2285,3480 2330,3480
JETSON_GND on Top Copper "JETSON_GND_L01_P336" (solid, pour order 336): 3350,2635 3350,2595 3555,2595 3555,2635
5V on PWR Layer (split plane): 2604.9,5160 2605.29,5158.05 2606.4,5156.4 2608.05,5155.29 2610,5154.9 2789.9,5154.9 2789.9,5055.1 2685,5055.1 2683.05,5054.71 2681.4,5053.6 2680.29,5051.95 2679.9,5050 2679.9,4905.1 2610,4905.1 2608.05,4904.71 2606.4,4903.6 2605.29,4901.95 2604.9,4900 2604.9,4430 2605.29,4428.05 2606.4,4426.4 2608.05,4425.29 2610,4424.9 2729.9,4424.9 2729.9,3005 2730.29,3003.05 2731.4,3001.4 2733.05,3000.29 2735,2999.9 2857.76,2999.9 2857.76,1560 2858.15,1558.05 2859.25,1556.4 2860.91,1555.29 2862.86,1554.9 2944.9,1554.9 2944.9,1015 2945.29,1013.05 2946.4,1011.4 2948.05,1010.29 2950,1009.9 2999.9,1009.9 2999.9,950.1 2950,950.1 2948.05,949.71 2946.4,948.6 2945.29,946.95 2944.9,945 2944.9,170.1 2910.1,170.1 2910.1,1515 2909.71,1516.95 2908.6,1518.6 2906.95,1519.71 2905,1520.1 2835.1,1520.1 2835.1,2960 2834.71,2961.95 2833.6,2963.6 2831.95,2964.71 2830,2965.1 2705.1,2965.1 2705.1,4385 2704.71,4386.95 2703.6,4388.6 2701.95,4389.71 2700,4390.1 2570.1,4390.1 2570.1,5190 2569.71,5191.95 2568.6,5193.6 2566.95,5194.71 2565,5195.1 2115,5195.1 2113.05,5194.71 2111.4,5193.6 1897.89,4980.1 1400,4980.1 1398.05,4979.71 1396.4,4978.6 1395.29,4976.95 1394.9,4975 1394.9,-169.9 1355.1,-169.9 1355.1,5004.9 1865,5004.9 1866.95,5005.29 1868.6,5006.4 2082.11,5219.9 2604.9,5219.9
VDD on PWR Layer (split plane): 268 vertices, not listed, extent 20.09,-740.06 4510.9,5361.48
5V on PWR Layer (split plane): 979.9,3775.1 885.1,3775.1 885.1,4044.94 955.06,4114.9 979.9,4114.9
5V on PWR Layer (split plane): 969.9,680 970.29,678.05 971.4,676.4 973.05,675.29 975,674.9 1004.9,674.9 1004.9,537.11 992.89,525.1 972.11,525.1 950.1,547.11 950.1,595 949.71,596.95 948.6,598.6 930.1,617.11 930.1,899.9 969.9,899.9
VCC on PWR Layer (split plane): 2535.89,4339.89 2656,4339.89 2656,2914.07 2799.72,2914.07 2799.72,1450 2868,1450 2868,-740.06 1937.15,-740.06 1934.98,-728.22 1934.57,-726.81 1934.24,-725.38 1924.99,-698.17 1924.38,-696.84 1923.85,-695.48 1910.74,-669.89 1909.94,-668.65 1909.2,-667.37 1892.47,-643.94 1891.5,-642.83 1890.59,-641.68 1870.62,-620.97 1869.51,-620.02 1868.45,-619.02 1845.69,-601.42 1844.44,-600.63 1843.23,-599.79 1818.15,-585.73 1816.81,-585.15 1815.5,-584.49 1788.65,-574.22 1787.24,-573.83 1785.84,-573.37 1757.77,-567.11 1756.32,-566.93 1754.88,-566.68 1726.18,-564.56 1724.7,-564.59 1723.21,-564.56 1694.55,-566.68 1693.11,-566.93 1691.66,-567.11 1663.59,-573.37 1662.2,-573.83 1660.79,-574.21 1633.9,-584.49 1632.59,-585.15 1631.24,-585.74 1606.2,-599.79 1604.99,-600.64 1603.74,-601.42 1580.99,-619.02 1579.93,-620.02 1578.81,-620.97 1558.85,-641.68 1557.94,-642.83 1556.97,-643.94 1540.23,-667.37 1539.5,-668.65 1538.7,-669.89 1525.59,-695.48 1525.06,-696.84 1524.45,-698.17 1515.2,-725.38 1514.87,-726.81 1514.46,-728.22 1512.29,-740.06 1434.55,-740.06 1435.45,4945.64 1922.39,4945.64 2128.37,5151.62 2535.89,5151.62